# KiCad board UNI_i3-rounded.kicad_pcb
title: zensai65_UNI_i3; rev: v2; company: shoonie
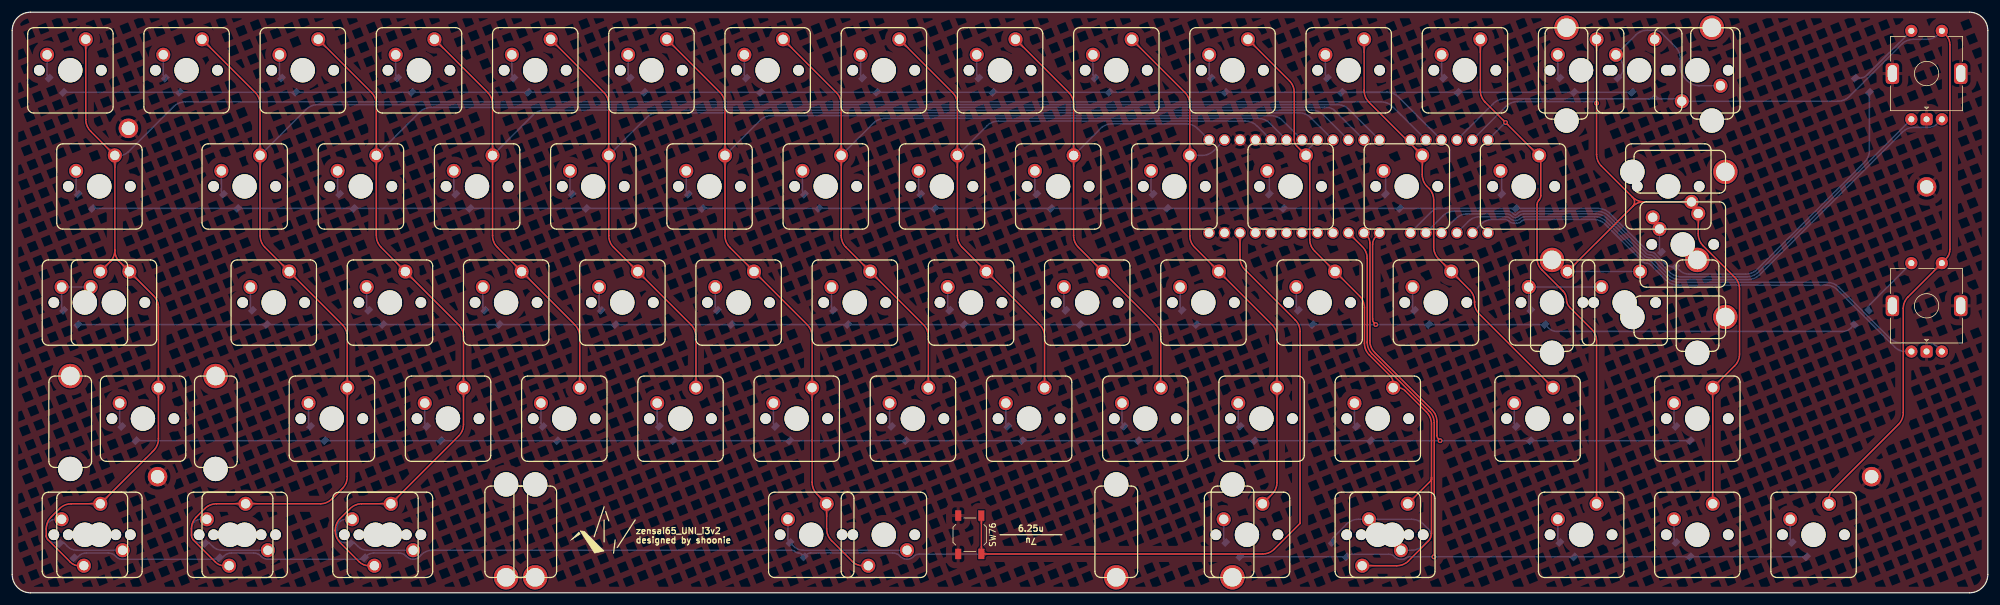
[diagram p0: board, top side]
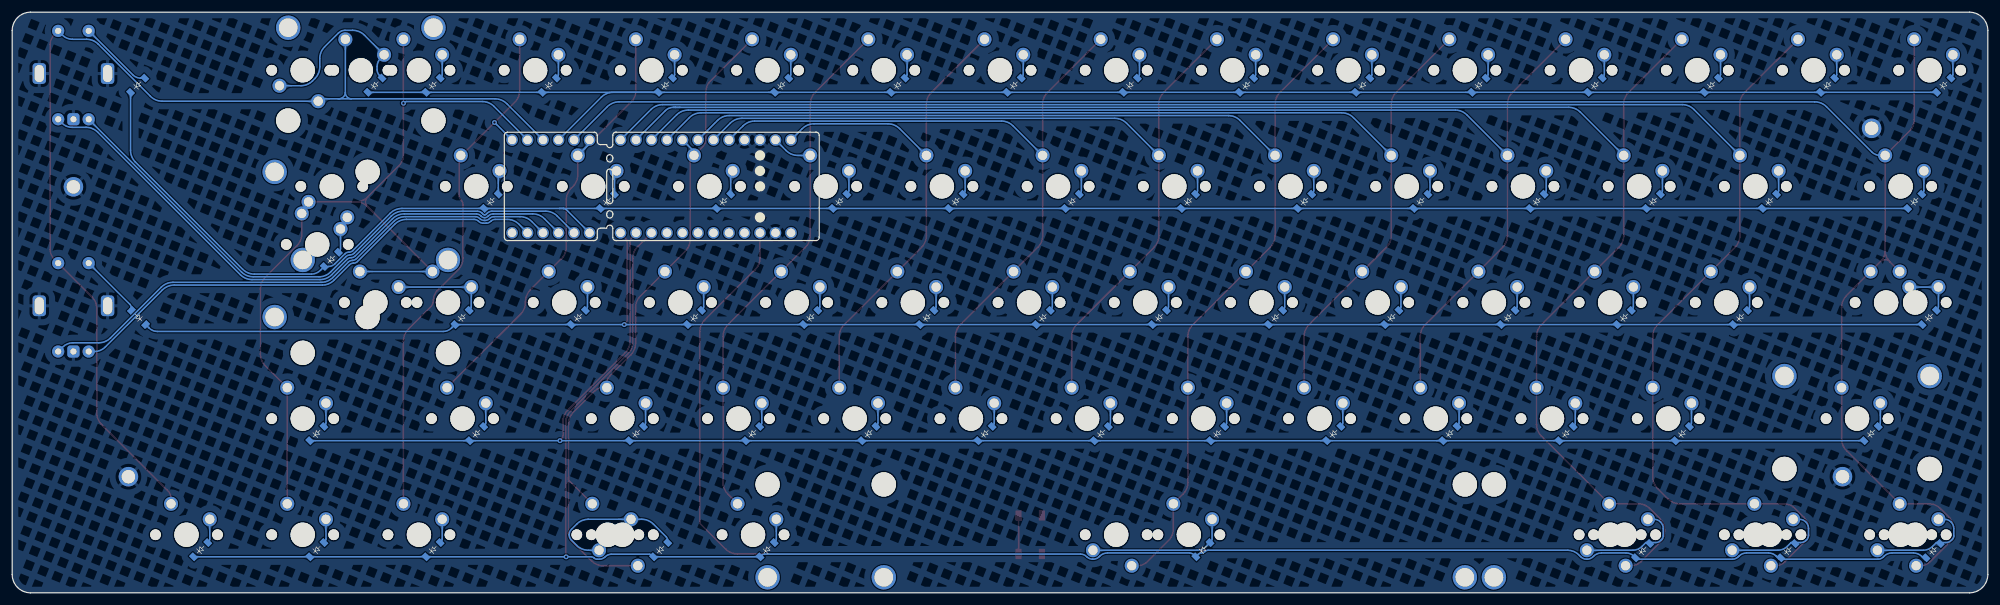
[diagram p1: board, bottom side, seen from below]

Outline 323.85 x 95.25 mm; copper layers: Top, Bottom. Coordinates in mm from the lower left corner of the outline.
Outline path: 0,92.25 0,3 arc(0.88,0.88) 3,0 320.85,0 arc(322.97,0.88) 323.85,3 323.85,92.25 arc(322.97,94.37) 320.85,95.25 3,95.25 arc(0.88,94.37) 0,92.25
Stack: Top 0.035mm / dielectric 1.51mm FR4 er 4.5 / Bottom 0.035mm

## Placement (name value [footprint] x y rotation side)
D1  D_Small  [D_SOD-123_CLEAN]  7.14 83.34 315 bottom
D2  D_Small  [D_SOD-123_CLEAN]  26.19 83.34 315 bottom
D3  D_Small  [D_SOD-123_CLEAN]  45.24 83.34 315 bottom
D4  D_Small  [D_SOD-123_CLEAN]  64.29 83.34 315 bottom
D5  D_Small  [D_SOD-123_CLEAN]  83.34 83.34 315 bottom
D6  D_Small  [D_SOD-123_CLEAN]  102.39 83.34 315 bottom
D7  D_Small  [D_SOD-123_CLEAN]  121.44 83.34 315 bottom
D8  D_Small  [D_SOD-123_CLEAN]  140.49 83.34 315 bottom
D9  D_Small  [D_SOD-123_CLEAN]  159.54 83.34 315 bottom
D10  D_Small  [D_SOD-123_CLEAN]  178.59 83.34 315 bottom
D11  D_Small  [D_SOD-123_CLEAN]  197.64 83.34 315 bottom
D12  D_Small  [D_SOD-123_CLEAN]  216.69 83.34 315 bottom
D13  D_Small  [D_SOD-123_CLEAN]  235.74 83.34 315 bottom
D14  D_Small  [D_SOD-123_CLEAN]  254.79 83.34 315 bottom
D15  D_Small  [D_SOD-123_CLEAN]  264.32 83.34 315 bottom
D17  D_Small  [D_SOD-123_CLEAN]  11.91 64.29 315 bottom
D18  D_Small  [D_SOD-123_CLEAN]  35.72 64.29 315 bottom
D19  D_Small  [D_SOD-123_CLEAN]  54.77 64.29 315 bottom
D20  D_Small  [D_SOD-123_CLEAN]  73.82 64.29 315 bottom
D21  D_Small  [D_SOD-123_CLEAN]  92.87 64.29 315 bottom
D22  D_Small  [D_SOD-123_CLEAN]  111.92 64.29 315 bottom
D23  D_Small  [D_SOD-123_CLEAN]  130.97 64.29 315 bottom
D24  D_Small  [D_SOD-123_CLEAN]  150.02 64.29 315 bottom
D25  D_Small  [D_SOD-123_CLEAN]  169.07 64.29 315 bottom
D26  D_Small  [D_SOD-123_CLEAN]  188.12 64.29 315 bottom
D27  D_Small  [D_SOD-123_CLEAN]  207.17 64.29 315 bottom
D28  D_Small  [D_SOD-123_CLEAN]  226.22 64.29 315 bottom
D29  D_Small  [D_SOD-123_CLEAN]  245.27 64.29 315 bottom
D31  D_Small  [D_SOD-123_CLEAN]  271.46 54.77 315 bottom
D32  D_Small  [D_SOD-123_CLEAN]  303.21 83.34 315 bottom
D33  D_Small  [D_SOD-123_CLEAN]  9.53 45.24 315 bottom
D35  D_Small  [D_SOD-123_CLEAN]  40.48 45.24 315 bottom
D36  D_Small  [D_SOD-123_CLEAN]  59.53 45.24 315 bottom
D37  D_Small  [D_SOD-123_CLEAN]  78.58 45.24 315 bottom
D38  D_Small  [D_SOD-123_CLEAN]  97.63 45.24 315 bottom
D39  D_Small  [D_SOD-123_CLEAN]  116.68 45.24 315 bottom
D40  D_Small  [D_SOD-123_CLEAN]  135.73 45.24 315 bottom
D41  D_Small  [D_SOD-123_CLEAN]  154.78 45.24 315 bottom
D42  D_Small  [D_SOD-123_CLEAN]  173.83 45.24 315 bottom
D43  D_Small  [D_SOD-123_CLEAN]  192.88 45.24 315 bottom
D44  D_Small  [D_SOD-123_CLEAN]  211.93 45.24 315 bottom
D45  D_Small  [D_SOD-123_CLEAN]  230.98 45.24 315 bottom
D46  D_Small  [D_SOD-123_CLEAN]  250.03 45.24 315 bottom
D48  D_Small  [D_SOD-123_CLEAN]  303.21 45.24 225 bottom
D49  D_Small  [D_SOD-123_CLEAN]  19.05 26.19 315 bottom
D50  D_Small  [D_SOD-123_CLEAN]  50.01 26.19 315 bottom
D51  D_Small  [D_SOD-123_CLEAN]  69.06 26.19 315 bottom
D52  D_Small  [D_SOD-123_CLEAN]  88.11 26.19 315 bottom
D53  D_Small  [D_SOD-123_CLEAN]  107.16 26.19 315 bottom
D54  D_Small  [D_SOD-123_CLEAN]  126.21 26.19 315 bottom
D55  D_Small  [D_SOD-123_CLEAN]  145.26 26.19 315 bottom
D56  D_Small  [D_SOD-123_CLEAN]  164.31 26.19 315 bottom
D57  D_Small  [D_SOD-123_CLEAN]  183.36 26.19 315 bottom
D58  D_Small  [D_SOD-123_CLEAN]  202.41 26.19 315 bottom
D59  D_Small  [D_SOD-123_CLEAN]  221.46 26.19 315 bottom
D60  D_Small  [D_SOD-123_CLEAN]  247.65 26.19 315 bottom
D61  D_Small  [D_SOD-123_CLEAN]  273.84 26.19 315 bottom
D62  D_Small  [D_SOD-123_CLEAN]  8.89 6.98 315 bottom
D64  D_Small  [D_SOD-123_CLEAN]  32.7 6.98 315 bottom
D66  D_Small  [D_SOD-123_CLEAN]  56.52 6.98 315 bottom
D68  D_Small  [D_SOD-123_CLEAN]  128.59 7.14 315 bottom
D70  D_Small  [D_SOD-123_CLEAN]  200.03 7.14 315 bottom
D72  D_Small  [D_SOD-123_CLEAN]  217.49 7.14 315 bottom
D73  D_Small  [D_SOD-123_CLEAN]  254.79 7.14 315 bottom
D74  D_Small  [D_SOD-123_CLEAN]  273.84 7.14 315 bottom
D75  D_Small  [D_SOD-123_CLEAN]  292.89 7.14 315 bottom
H1  MountingHole_Pad  [MountingHole_2.2mm_M2_Pad_MOD]  19.05 76.2 0 top
H2  MountingHole_Pad  [MountingHole_2.2mm_M2_Pad_MOD]  23.83 19.05 0 top
H3  MountingHole_Pad  [MountingHole_2.2mm_M2_Pad_MOD]  313.81 66.6 0 top
H4  MountingHole_Pad  [MountingHole_2.2mm_M2_Pad_MOD]  304.8 19.05 0 top
REF**  -  [bottom_row_guide]  167 9.52 0 top
REF**#2  -  [info]  102.11 9.4 0 top
S15  MX_stab  [STAB_MX_P_2u]  266.7 85.72 0 top
S31  MX_stab  [STAB_MX_P_2u]  273.84 57.15 270 top
S47  MX_stab  [STAB_MX_P_2u]  264.32 47.62 0 top
S49  MX_stab  [STAB_MX_P_2u]  21.43 28.57 0 top
S68  MX_stab  [STAB_MX_P_6.25u]  130.97 9.52 180 top
S69  MX_stab  [STAB_MX_P_7u]  142.88 9.52 180 top
SW1  MX_SW_solder  [SW_MX_1u]  9.53 85.72 0 top
SW2  MX_SW_solder  [SW_MX_1u]  28.57 85.72 0 top
SW3  MX_SW_solder  [SW_MX_1u]  47.62 85.72 0 top
SW4  MX_SW_solder  [SW_MX_1u]  66.67 85.72 0 top
SW5  MX_SW_solder  [SW_MX_1u]  85.72 85.72 0 top
SW6  MX_SW_solder  [SW_MX_1u]  104.78 85.72 0 top
SW7  MX_SW_solder  [SW_MX_1u]  123.83 85.72 0 top
SW8  MX_SW_solder  [SW_MX_1u]  142.88 85.72 0 top
SW9  MX_SW_solder  [SW_MX_1u]  161.93 85.72 0 top
SW10  MX_SW_solder  [SW_MX_1u]  180.97 85.72 0 top
SW11  MX_SW_solder  [SW_MX_1u]  200.03 85.72 0 top
SW12  MX_SW_solder  [SW_MX_1u]  219.07 85.72 0 top
SW13  MX_SW_solder  [SW_MX_1u]  238.12 85.72 0 top
SW14  MX_SW_solder  [SW_MX_1u]  257.18 85.72 0 top
SW15  MX_SW_solder  [SW_MX_1u]  266.7 85.72 0 top
SW16  MX_SW_solder  [SW_MX_1u]  276.23 85.72 180 top
SW17  MX_SW_solder  [SW_MX_1u]  14.29 66.67 0 top
SW18  MX_SW_solder  [SW_MX_1u]  38.1 66.67 0 top
SW19  MX_SW_solder  [SW_MX_1u]  57.15 66.67 0 top
SW20  MX_SW_solder  [SW_MX_1u]  76.2 66.67 0 top
SW21  MX_SW_solder  [SW_MX_1u]  95.25 66.67 0 top
SW22  MX_SW_solder  [SW_MX_1u]  114.3 66.67 0 top
SW23  MX_SW_solder  [SW_MX_1u]  133.35 66.67 0 top
SW24  MX_SW_solder  [SW_MX_1u]  152.4 66.67 0 top
SW25  MX_SW_solder  [SW_MX_1u]  171.45 66.67 0 top
SW26  MX_SW_solder  [SW_MX_1u]  190.5 66.67 0 top
SW27  MX_SW_solder  [SW_MX_1u]  209.55 66.67 0 top
SW28  MX_SW_solder  [SW_MX_1u]  228.6 66.67 0 top
SW29  MX_SW_solder  [SW_MX_1u]  247.78 66.67 0 top
SW30  MX_SW_solder  [SW_MX_1u]  271.46 66.67 180 top
SW31  MX_SW_solder  [SW_MX_1u]  273.84 57.15 0 top
SW32  RotaryEncoder_Switch  [ROT_Alps_EC11E-Switch]  313.81 85.19 0 top
SW33  MX_SW_solder  [SW_MX_1u]  11.91 47.62 0 top
SW34  MX_SW_solder  [SW_MX_1u]  16.67 47.62 0 top
SW35  MX_SW_solder  [SW_MX_1u]  42.86 47.62 0 top
SW36  MX_SW_solder  [SW_MX_1u]  61.91 47.62 0 top
SW37  MX_SW_solder  [SW_MX_1u]  80.96 47.62 0 top
SW38  MX_SW_solder  [SW_MX_1u]  100.01 47.62 0 top
SW39  MX_SW_solder  [SW_MX_1u]  119.06 47.62 0 top
SW40  MX_SW_solder  [SW_MX_1u]  138.11 47.62 0 top
SW41  MX_SW_solder  [SW_MX_1u]  157.16 47.62 0 top
SW42  MX_SW_solder  [SW_MX_1u]  176.21 47.62 0 top
SW43  MX_SW_solder  [SW_MX_1u]  195.26 47.62 0 top
SW44  MX_SW_solder  [SW_MX_1u]  214.31 47.62 0 top
SW45  MX_SW_solder  [SW_MX_1u]  233.36 47.62 0 top
SW46  MX_SW_solder  [SW_MX_1u]  252.41 47.62 0 top
SW47  MX_SW_solder  [SW_MX_1u]  264.32 47.62 0 top
SW48  RotaryEncoder_Switch  [ROT_Alps_EC11E-Switch]  313.81 47.09 0 top
SW49  MX_SW_solder  [SW_MX_1u]  21.43 28.57 0 top
SW50  MX_SW_solder  [SW_MX_1u]  52.39 28.57 0 top
SW51  MX_SW_solder  [SW_MX_1u]  71.44 28.57 0 top
SW52  MX_SW_solder  [SW_MX_1u]  90.49 28.57 0 top
SW53  MX_SW_solder  [SW_MX_1u]  109.54 28.57 0 top
SW54  MX_SW_solder  [SW_MX_1u]  128.59 28.57 0 top
SW55  MX_SW_solder  [SW_MX_1u]  147.64 28.57 0 top
SW56  MX_SW_solder  [SW_MX_1u]  166.69 28.57 0 top
SW57  MX_SW_solder  [SW_MX_1u]  185.74 28.57 0 top
SW58  MX_SW_solder  [SW_MX_1u]  204.79 28.57 0 top
SW59  MX_SW_solder  [SW_MX_1u]  223.84 28.57 0 top
SW60  MX_SW_solder  [SW_MX_1u]  250.03 28.57 0 top
SW61  MX_SW_solder  [SW_MX_1u]  276.23 28.57 0 top
SW62  MX_SW_solder  [SW_MX_1u]  11.91 9.52 0 top
SW63  MX_SW_solder  [SW_MX_1u]  14.29 9.52 180 top
SW64  MX_SW_solder  [SW_MX_1u]  35.72 9.52 0 top
SW65  MX_SW_solder  [SW_MX_1u]  38.1 9.52 180 top
SW66  MX_SW_solder  [SW_MX_1u]  59.53 9.52 0 top
SW67  MX_SW_solder  [SW_MX_1u]  61.91 9.52 180 top
SW68  MX_SW_solder  [SW_MX_1u]  130.97 9.52 0 top
SW69  MX_SW_solder  [SW_MX_1u]  142.88 9.52 180 top
SW70  MX_SW_solder  [SW_MX_1u]  202.41 9.52 0 top
SW71  MX_SW_solder  [SW_MX_1u]  223.84 9.52 180 top
SW72  MX_SW_solder  [SW_MX_1u]  226.22 9.52 0 top
SW73  MX_SW_solder  [SW_MX_1u]  257.18 9.52 0 top
SW74  MX_SW_solder  [SW_MX_1u]  276.23 9.52 0 top
SW75  MX_SW_solder  [SW_MX_1u]  295.27 9.52 0 top
SW76  SW_Push_45deg  [SW_SPST_TL3342]  156.97 9.52 270 top
U1  Bonsai-C4-extended  [Bonsai_C4_extended_THT]  209.55 66.67 270 bottom

## Library data of the parts
D1-D15 D17-D29 D31-D33 D35-D46 D48-D62 D64 D66 D68 D70 D72-D75 = -: Description: Diode, small symbol; Sim.Device: D; Sim.Pins: 1=K 2=A
H1-H4 = -: Description: Mounting Hole with connection
S15 S31 S47 S49 S68 S69 = -: Description: Cherry MX-style stabilizer
SW1-SW31 SW33-SW47 SW49-SW76 = -: Description: Push button switch, normally open, two pins, 45° tilted
SW32 SW48 = -: Description: Rotary encoder, dual channel, incremental quadrate outputs, with switch

## Footprints (pads in the part's own frame, mm; a bottom-side part is the same pattern mirrored in y, then rotated)
Bonsai_C4_extended_THT
  round 1.89 hole 1.39: 1(-7.62,13.36) 2(-7.62,10.82) 3(-7.62,8.28) 4(-7.62,5.74) 5(-7.62,3.2) 6(-7.62,0.66) 7(-7.62,-1.88) 8(-7.62,-4.42) 9(-7.62,-6.96) 10(-7.62,-9.5) 11(-7.62,-12.04) 12(-7.62,-14.58) 17(7.62,13.36) 18(7.62,10.82) 19(7.62,8.28) 20(7.62,5.74) 21(7.62,3.2) 22(7.62,0.66) 23(7.62,-1.88) 24(7.62,-6.96) 25(7.62,-4.42) 26(7.62,-9.5) 27(7.62,-12.04) 28(7.62,-14.58) 29(-7.62,-19.66) 30(-7.62,-22.2) 31(-7.62,-24.74) 32(-7.62,-27.28) 33(-7.62,-29.82) 34(-7.62,-32.36) 35(7.62,-19.66) 36(7.62,-22.2) 37(7.62,-24.74) 38(7.62,-27.28) 39(7.62,-29.82) 40(7.62,-32.36)
D_SOD-123_CLEAN
  rect 0.9x1.2 smd: 1(1.75,0) 2(-1.55,0)
MountingHole_2.2mm_M2_Pad_MOD
  round 3.2 hole 2.2: 1(0,0)
ROT_Alps_EC11E-Switch
  round 2 hole 1: A(-2.5,-7.5) B(2.5,-7.5) S1(2.5,7) S2(-2.5,7)
  rrect 2x2 hole 1: C(0,-7.5)
  rrect 2.2x3.4 hole 1.5x2.8: MP(-5.6,0) MP(5.6,0)
STAB_MX_P_2u
  round 4 hole 3.048: (-11.906,6.985) (11.906,6.985)
  round 3.988 hole 3.988 unplated: (-11.906,-8.255) (11.906,-8.255)
STAB_MX_P_6.25u
  round 4 hole 3.048: (-50.006,6.985) (50.006,6.985)
  round 3.988 hole 3.988 unplated: (-50.006,-8.255) (50.006,-8.255)
STAB_MX_P_7u
  round 4 hole 3.048: (-57.15,6.985) (57.15,6.985)
  round 3.988 hole 3.988 unplated: (-57.15,-8.255) (57.15,-8.255)
SW_MX_1u
  round 1.75 hole 1.75 unplated: (-5.08,0) (5.08,0)
  round 3.988 hole 3.988 unplated: (0,0)
  round 2.3 hole 1.524: 1(-3.81,2.54) 2(2.54,5.08)
SW_SPST_TL3342
  rect 1.7x1 smd: 1(-3.15,1.9) 1(3.15,1.9) 2(-3.15,-1.9) 2(3.15,-1.9)

## Nets
GND: H1.1 H2.1 H3.1 H4.1 SW32.C SW32.MP SW48.C SW48.MP SW76.2 U1.3 U1.4 U1.18
COL0: SW1.2 SW17.2 SW33.2 SW34.2 SW49.2 SW62.2 SW63.2 U1.30
COL1: SW2.2 SW18.2 SW35.2 SW50.2 SW64.2 SW65.2 U1.12
COL2: SW3.2 SW19.2 SW36.2 SW51.2 SW66.2 SW67.2 U1.11
COL3: SW4.2 SW20.2 SW37.2 SW52.2 U1.10
COL4: SW5.2 SW21.2 SW38.2 SW53.2 U1.9
COL5: SW6.2 SW22.2 SW39.2 SW54.2 SW68.2 SW69.2 U1.7
COL6: SW7.2 SW23.2 SW40.2 SW55.2 U1.6
COL7: SW8.2 SW24.2 SW41.2 SW56.2 U1.5
COL8: SW9.2 SW25.2 SW42.2 SW57.2 U1.1
COL9: SW10.2 SW26.2 SW43.2 SW58.2 SW70.2 U1.2
COL10: SW11.2 SW27.2 SW44.2 SW59.2 SW71.2 SW72.2 U1.8
COL11: SW12.2 SW28.2 SW45.2 SW60.2 U1.29
COL12: SW13.2 SW29.2 SW73.2 U1.34
COL13: SW14.2 SW30.1 SW31.2 SW46.2 SW47.2 SW61.2 SW74.2 U1.33
COL14: SW15.2 SW16.2 SW32.S1 SW48.S1 SW75.2 U1.32
ROW0: D1.1 D2.1 D3.1 D4.1 D5.1 D6.1 D7.1 D8.1 D9.1 D10.1 D11.1 D12.1 D13.1 D14.1 D15.1 U1.31
ROW1: D17.1 D18.1 D19.1 D20.1 D21.1 D22.1 D23.1 D24.1 D25.1 D26.1 D27.1 D28.1 D29.1 D31.1 D32.1 U1.35
ROW2: D33.1 D35.1 D36.1 D37.1 D38.1 D39.1 D40.1 D41.1 D42.1 D43.1 D44.1 D45.1 D46.1 D48.1 U1.28
ROW3: D49.1 D50.1 D51.1 D52.1 D53.1 D54.1 D55.1 D56.1 D57.1 D58.1 D59.1 D60.1 D61.1 U1.27
ROW4: D62.1 D64.1 D66.1 D68.1 D70.1 D72.1 D73.1 D74.1 D75.1 U1.26
SW32A: SW32.A U1.36
SW32B: SW32.B U1.37
SW48A: SW48.A U1.39
SW48B: SW48.B U1.38
Net-(D1-A): D1.2 SW1.1
Net-(D2-A): D2.2 SW2.1
Net-(D3-A): D3.2 SW3.1
Net-(D4-A): D4.2 SW4.1
Net-(D5-A): D5.2 SW5.1
Net-(D6-A): D6.2 SW6.1
Net-(D7-A): D7.2 SW7.1
Net-(D8-A): D8.2 SW8.1
Net-(D9-A): D9.2 SW9.1
Net-(D10-A): D10.2 SW10.1
Net-(D11-A): D11.2 SW11.1
Net-(D12-A): D12.2 SW12.1
Net-(D13-A): D13.2 SW13.1
Net-(D14-A): D14.2 SW14.1
Net-(D15-A): D15.2 SW15.1 SW16.1
Net-(D17-A): D17.2 SW17.1
Net-(D18-A): D18.2 SW18.1
Net-(D19-A): D19.2 SW19.1
Net-(D20-A): D20.2 SW20.1
Net-(D21-A): D21.2 SW21.1
Net-(D22-A): D22.2 SW22.1
Net-(D23-A): D23.2 SW23.1
Net-(D24-A): D24.2 SW24.1
Net-(D25-A): D25.2 SW25.1
Net-(D26-A): D26.2 SW26.1
Net-(D27-A): D27.2 SW27.1
Net-(D28-A): D28.2 SW28.1
Net-(D29-A): D29.2 SW29.1
Net-(D30-A): D31.2 SW30.2 SW31.1
Net-(D32-A): D32.2 SW32.S2
Net-(D33-A): D33.2 SW33.1 SW34.1
Net-(D35-A): D35.2 SW35.1
Net-(D36-A): D36.2 SW36.1
Net-(D37-A): D37.2 SW37.1
Net-(D38-A): D38.2 SW38.1
Net-(D39-A): D39.2 SW39.1
Net-(D40-A): D40.2 SW40.1
Net-(D41-A): D41.2 SW41.1
Net-(D42-A): D42.2 SW42.1
Net-(D43-A): D43.2 SW43.1
Net-(D44-A): D44.2 SW44.1
Net-(D45-A): D45.2 SW45.1
Net-(D46-A): D46.2 SW46.1 SW47.1
Net-(D48-A): D48.2 SW48.S2
Net-(D49-A): D49.2 SW49.1
Net-(D50-A): D50.2 SW50.1
Net-(D51-A): D51.2 SW51.1
Net-(D52-A): D52.2 SW52.1
Net-(D53-A): D53.2 SW53.1
Net-(D54-A): D54.2 SW54.1
Net-(D55-A): D55.2 SW55.1
Net-(D56-A): D56.2 SW56.1
Net-(D57-A): D57.2 SW57.1
Net-(D58-A): D58.2 SW58.1
Net-(D59-A): D59.2 SW59.1
Net-(D60-A): D60.2 SW60.1
Net-(D61-A): D61.2 SW61.1
Net-(D62-A): D62.2 SW62.1 SW63.1
Net-(D64-A): D64.2 SW64.1 SW65.1
Net-(D66-A): D66.2 SW66.1 SW67.1
Net-(D68-A): D68.2 SW68.1 SW69.1
Net-(D70-A): D70.2 SW70.1
Net-(D71-A): D72.2 SW71.1 SW72.1
Net-(D73-A): D73.2 SW73.1
Net-(D74-A): D74.2 SW74.1
Net-(D75-A): D75.2 SW75.1
Net-(U1-DFU): SW76.1 U1.19

Pads without a net: U1 17 20 21 22 23 24 25 40

## Via types
v1: diameter 0.8, hole 0.4, Top to Bottom, 5 vias

## Routing (per net, layer and track width the routed paths; a pad name or vN(x,y) marks a point on that pad's centre or on a via; arc(x,y) is an arc through that point)
COL0: length 331.9
  Top w0.25: 17.53,54.38 SW34.2 23.17,48.74 arc(23.76,47.86) 23.97,46.82 SW49.2 23.97,25.26 arc(23.76,24.22) 23.17,23.33 SW62.2 9.68,14.6 arc(8.64,14.4) 7.75,13.81 6.37,12.43 arc(5.78,11.55) 5.58,10.5 5.58,9.35 arc(5.64,9.02) 5.83,8.73 9.55,5.02 arc(10.18,4.59) 10.93,4.44 SW63.2 ; 17.53,54.38 arc(16.8,54.65) 16.03,54.29 ; 17.53,54.38 arc(17.01,55.2) 16.83,56.21 ; 16.03,54.29 SW33.2 ; 16.03,54.29 arc(16.62,55.17) 16.83,56.21 ; 12.06,90.8 12.06,77.64 arc(12.27,76.6) 12.86,75.72 16.83,71.75 16.83,56.21
  Bottom w0.25: U1.30 226.3,79.74 arc(225.42,80.33) 224.38,80.54 28.36,80.54 arc(27.32,80.33) 26.44,79.74 19.03,72.33 arc(18.39,71.9) 17.64,71.75 16.83,71.75
COL1: length 309.8
  Top w0.25: SW2.2 39.84,82.08 arc(40.43,81.19) 40.64,80.15 40.64,58.59 arc(40.85,57.55) 41.44,56.67 SW35.2 54.13,43.98 arc(54.72,43.09) 54.93,42.05 SW50.2 54.93,19.04 arc(54.72,18) 54.13,17.12 52.41,15.4 arc(51.53,14.81) 50.49,14.6 SW64.2 33.49,14.6 arc(32.45,14.4) 31.57,13.81 30.19,12.43 arc(29.6,11.55) 29.39,10.5 29.39,9.46 arc(29.48,9) 29.74,8.62 33.33,5.03 arc(33.97,4.6) 34.73,4.44 SW65.2
  Bottom w0.25: U1.12 219.13,79.29 arc(218.25,79.88) 217.21,80.09 50.1,80.09 arc(49.06,79.88) 48.18,79.29 40.64,71.75
COL2: length 279.5
  Top w0.25: SW3.2 58.89,82.08 arc(59.48,81.19) 59.69,80.15 59.69,58.59 arc(59.9,57.55) 60.49,56.67 SW36.2 73.18,43.98 arc(73.77,43.09) 73.98,42.05 SW51.2 73.98,27.64 arc(73.77,26.6) 73.18,25.71 SW66.2 57.3,14.6 arc(56.26,14.4) 55.38,13.81 53.76,12.19 arc(53.17,11.3) 52.96,10.26 52.96,10.14 arc(53.17,9.1) 53.76,8.22 56.88,5.1 arc(57.6,4.61) 58.45,4.44 SW67.2
  Bottom w0.25: 214.38,79.64 215.13,79.64 ; 214.38,79.64 215.13,79.64 ; 214.38,79.64 68.7,79.64 arc(67.66,79.43) 66.78,78.84 59.69,71.75 ; 215.13,79.64 215.5,79.64 ; 215.13,79.64 215.5,79.64 ; U1.11 216.77,79.11 arc(216.19,79.5) 215.5,79.64
COL3: length 211.8
  Top w0.25: SW52.2 93.03,42.05 arc(92.82,43.09) 92.23,43.98 SW37.2 79.54,56.67 arc(78.95,57.55) 78.74,58.59 78.74,80.15 arc(78.53,81.19) 77.94,82.08 SW4.2
  Bottom w0.25: 78.74,71.75 85.38,78.39 arc(86.26,78.98) 87.3,79.19 213.03,79.19 arc(214.07,78.98) 214.95,78.39 U1.10
COL4: length 189.9
  Top w0.25: SW53.2 112.08,42.05 arc(111.87,43.09) 111.28,43.98 SW38.2 98.59,56.67 arc(98,57.55) 97.79,58.59 97.79,80.15 arc(97.58,81.19) 96.99,82.08 SW5.2
  Bottom w0.25: U1.9 212.86,77.94 arc(211.98,78.53) 210.94,78.74 105.9,78.74 arc(104.86,78.53) 103.98,77.94 97.79,71.75
COL5: length 199.2
  Top w0.25: SW6.2 116.04,82.08 arc(116.63,81.19) 116.84,80.15 116.84,58.59 arc(117.05,57.55) 117.64,56.67 SW39.2 130.33,43.98 arc(130.92,43.09) 131.13,42.05 SW54.2 131.13,18.11 arc(131.33,17.07) 131.92,16.19 SW68.2 133.51,10.49 arc(133.72,9.45) 134.31,8.57 137.76,5.12 arc(138.5,4.62) 139.38,4.44 SW69.2
  Bottom w0.25: 116.84,71.75 122.58,77.49 arc(123.46,78.08) 124.5,78.29 206.31,78.29 arc(207.35,78.08) 208.23,77.49 U1.7
COL6: length 143.4
  Top w0.25: SW55.2 150.18,42.05 arc(149.97,43.09) 149.38,43.98 SW40.2 136.69,56.67 arc(136.1,57.55) 135.89,58.59 135.89,80.15 arc(135.68,81.19) 135.09,82.08 126.36,90.8
  Bottom w0.25: U1.6 206.14,77.04 arc(205.26,77.63) 204.22,77.84 143.1,77.84 arc(142.06,77.63) 141.18,77.04 135.89,71.75
COL7: length 121.5
  Top w0.25: SW8.2 154.14,82.08 arc(154.73,81.19) 154.94,80.15 154.94,58.59 arc(155.15,57.55) 155.74,56.67 SW41.2 168.43,43.98 arc(169.02,43.09) 169.23,42.05 SW56.2
  Bottom w0.25: U1.5 204.05,76.59 arc(203.17,77.18) 202.13,77.39 161.7,77.39 arc(160.66,77.18) 159.78,76.59 154.94,71.75
COL8: length 91.9
  Top w0.25: SW57.2 188.28,42.05 arc(188.07,43.09) 187.48,43.98 SW42.2 174.79,56.67 arc(174.2,57.55) 173.99,58.59 173.99,80.15 arc(173.78,81.19) 173.19,82.08 SW9.2
  Bottom w0.25: U1.1 194.34,76.14 arc(193.46,76.73) 192.42,76.94 180.3,76.94 arc(179.26,76.73) 178.38,76.14 173.99,71.75
COL9: length 93.2
  Top w0.25: SW10.2 192.24,82.08 arc(192.83,81.19) 193.04,80.15 193.04,58.59 arc(193.25,57.55) 193.84,56.67 SW43.2 206.53,43.98 arc(207.12,43.09) 207.33,42.05 SW58.2 207.33,18.11 arc(207.12,17.07) 206.53,16.19 SW70.2
  Bottom w0.25: 193.04,71.75 195.06,71.75 arc(196.1,71.96) 196.99,72.55 U1.2
COL10: length 114.1
  Top w0.25: 232.65,18.94 232.65,18.65 ; 232.65,18.94 232.65,27.7 arc(232.45,28.74) 231.86,29.63 228.34,33.14 arc(227.77,33.52) 227.1,33.65 arc(226.59,33.87) 226.38,34.38 arc(226.24,35.05) 225.86,35.62 222.46,39.02 arc(221.87,39.91) 221.66,40.95 221.66,46.77 arc(221.45,47.81) 220.87,48.69 217.33,52.23 ; 232.65,18.94 232.65,18.65 ; 232.65,18.65 232.65,9.76 arc(232.51,9.06) 232.12,8.47 228.89,5.24 arc(228.01,4.65) 226.97,4.44 SW71.2 ; 232.65,18.65 arc(232.63,18.51) 232.55,18.39 SW72.2 ; SW44.2 213.5,56.06 arc(212.91,56.94) 212.7,57.98 212.7,71.15 ; 212.09,71.75 210.6,73.24 arc(210.28,73.73) 210.16,74.31 210.16,82.08 arc(209.95,83.12) 209.36,84.01 SW11.2
  Bottom w0.25: U1.8 212.09,72.42
COL11: length 74.7
  Top w0.25: SW60.2 240.51,45.72 arc(239.92,46.6) 239.71,47.64 239.71,47.77 arc(239.51,48.81) 238.92,49.69 SW45.2 233.82,54.79 arc(233.23,55.67) 233.02,56.71 233.02,64.44 arc(232.81,65.48) 232.22,66.36 231.94,66.65 arc(231.35,67.53) 231.14,68.57 231.14,71.75 222.41,80.48 arc(221.82,81.37) 221.62,82.41 221.62,90.8
  Bottom w0.25: 229.21,73.69 231.14,71.75 229.21,73.69
COL12: length 86.8
  Top w0.25: SW13.2 240.66,82.41 arc(240.87,81.37) 241.46,80.48 v1(244.79,77.15) 250.19,71.75 ; 259.71,14.6 259.71,41.31 arc(259.51,42.35) 258.92,43.23 255.34,46.81 arc(254.93,47.43) 254.78,48.16 arc(254.64,48.89) 254.22,49.51 250.76,52.98 arc(250.17,53.86) 249.96,54.9 249.96,63.68 arc(250.04,64.08) 250.27,64.42 arc(250.49,64.75) 250.57,65.15 250.57,70.61
  Bottom w0.25: 241.91,74.29 244.76,77.14 arc(244.77,77.15) 244.78,77.15 v1(244.79,77.15)
COL13: length 143.7
  Top w0.25: SW31.2 276.38,58.87 arc(276.59,57.83) 277.18,56.94 282.36,51.77 arc(282.95,50.88) 283.15,49.84 283.15,39.17 arc(282.95,38.13) 282.36,37.25 278.76,33.65 278.76,14.6 ; 265.59,64.93 260.51,70.01 arc(259.92,70.89) 259.71,71.93 259.71,90.8 ; 265.59,64.93 arc(265.94,64.16) 265.68,63.43 ; 265.59,64.93 arc(266.47,64.34) 267.51,64.13 ; 265.68,63.43 SW46.2 ; 265.68,63.43 arc(266.49,63.95) 267.51,64.13 ; 267.51,64.13 SW30.1
  Bottom w0.25: 239.37,74.29 244.87,79.79 arc(245.75,80.38) 246.79,80.59 259.25,80.59 arc(259.43,80.55) 259.58,80.45 v1(259.71,80.31) ; SW47.2 SW46.2
COL14: length 184.1
  Top w0.25: SW75.2 297.81,15.42 arc(297.96,16.17) 298.39,16.81 309.19,27.61 arc(309.78,28.49) 309.99,29.53 309.99,46.63 arc(310.2,47.67) 310.79,48.56 SW48.S1 316.98,54.75 arc(317.47,55.48) 317.64,56.35 317.64,89.92 arc(317.47,90.79) 316.98,91.52 SW32.S1
  Bottom w0.25: 268.24,81.04 244.7,81.04 arc(243.66,80.83) 242.78,80.24 U1.32 ; 268.24,81.04 270.41,81.04 ; 268.24,81.04 arc(268.95,81.33) 269.24,82.04 ; 269.24,82.04 SW15.2 ; 269.24,82.04 arc(269.58,81.33) 270.41,81.04 ; SW32.S1 315.62,91.5 arc(314.86,90.98) 313.96,90.8 311.67,90.8 arc(310.63,90.6) 309.74,90.01 301.18,81.44 arc(300.3,80.85) 299.25,80.64 SW16.2 ; 270.41,81.04 273.29,81.04
ROW0: length 276.7
  Bottom w0.25: D12.1 D13.1 D14.1 D15.1 ; D12.1 D11.1 D10.1 D9.1 D8.1 D7.1 D6.1 D5.1 D4.1 D3.1 D2.1 D1.1 ; D12.1 225.35,82.11 arc(226.39,81.9) 227.28,81.31 U1.31
ROW1: length 320.2
  Bottom w0.25: 234.11,63.06 D29.1 259.96,63.06 arc(261,62.85) 261.89,62.26 267.99,56.15 arc(268.3,55.95) 268.65,55.88 arc(269.01,55.81) 269.32,55.61 270.93,53.99 arc(271.44,53.65) 272.05,53.53 arc(272.65,53.41) 273.16,53.07 273.32,52.91 arc(274.01,52.45) 274.83,52.28 284.15,52.28 arc(285.19,52.49) 286.08,53.08 303.65,70.66 arc(304.24,71.54) 304.45,72.58 D32.1 ; 234.11,63.06 233.51,63.06 ; 234.11,63.06 233.51,63.06 ; 233.51,63.06 D28.1 D27.1 D26.1 D25.1 D24.1 D23.1 D22.1 D21.1 D20.1 D19.1 D18.1 D17.1 ; 233.51,63.06 arc(233.23,63) 233,62.85 U1.35
ROW2: length 307.6
  Top w0.25: v1(223.52,44.01) 223.27,44.26 arc(223.08,44.54) 223.01,44.87 223.01,57.15 arc(223.16,57.88) 223.57,58.5 U1.28
  Bottom w0.25: D48.1 301.41,43.44 arc(300.78,43.02) 300.04,42.87 253.2,42.87 arc(252.46,43.02) 251.83,43.44 D46.1 D45.1 v1(223.52,44.01) D44.1 D43.1 D42.1 D41.1 D40.1 D39.1 D38.1 D37.1 D36.1 D35.1 D33.1
ROW3: length 293.7
  Top w0.25: U1.27 222.08,58.57 arc(222.44,58.03) 222.56,57.4 222.56,41.32 arc(222.77,40.28) 223.36,39.4 232.76,30 arc(233.35,29.12) 233.55,28.07 233.55,25.82 arc(233.62,25.49) 233.81,25.21 v1(234.06,24.96)
  Bottom w0.25: D61.1 D60.1 D59.1 D58.1 D57.1 D56.1 D55.1 D54.1 D53.1 D52.1 D51.1 D50.1 D49.1
ROW4: length 346.3
  Top w0.25: v1(233.04,5.91) 233.07,5.94 arc(233.1,5.97) 233.1,6.01 233.1,27.89 arc(232.9,28.93) 232.31,29.81 222.91,39.21 arc(222.32,40.09) 222.11,41.13 222.11,54.87 arc(221.9,55.91) 221.32,56.79 U1.26
  Bottom w0.25: D75.1 D74.1 D73.1 v1(233.04,5.91) 228.94,5.91 arc(228.68,5.85) 228.46,5.71 arc(228.24,5.56) 227.98,5.51 227.62,5.51 arc(227.08,5.62) 226.63,5.92 arc(226.17,6.22) 225.64,6.33 219.45,6.33 arc(219.17,6.28) 218.94,6.12 arc(218.7,5.96) 218.42,5.91 201.58,5.91 arc(201.29,5.96) 201.04,6.13 arc(200.79,6.29) 200.51,6.35 148.73,6.35 arc(148.18,6.24) 147.72,5.93 arc(147.25,5.62) 146.7,5.51 146.69,5.51 arc(146.12,5.62) 145.64,5.94 145.56,6.02 arc(144.99,6.4) 144.32,6.53 130.9,6.53 arc(130.49,6.45) 130.14,6.22 arc(129.82,6.09) 129.51,6.22 129.42,6.31 arc(129.17,6.48) 128.88,6.53 arc(128.58,6.59) 128.33,6.76 arc(128.09,6.93) 127.79,6.98 68.85,6.98 arc(67.89,6.79) 67.07,6.25 66.77,5.94 arc(66.29,5.62) 65.72,5.51 arc(65.16,5.62) 64.68,5.94 64.6,6.02 arc(64.03,6.4) 63.36,6.53 59.26,6.53 arc(58.6,6.4) 58.03,6.02 57.51,5.51 41.91,5.51 arc(41.35,5.62) 40.86,5.94 40.79,6.02 arc(40.22,6.4) 39.55,6.53 35.93,6.53 arc(35.26,6.4) 34.69,6.02 34.18,5.51 18,5.51 arc(17.53,5.6) 17.12,5.88 16.97,6.02 arc(16.41,6.4) 15.74,6.53 12.18,6.53 arc(11.45,6.39) 10.83,5.98 10.27,5.42
SW32A: length 96
  Bottom w0.25: U1.36 234.5,61.81 arc(235.39,62.4) 236.43,62.61 245.21,62.61 arc(245.61,62.53) 245.96,62.3 246.17,62.08 arc(246.28,62.01) 246.4,61.99 arc(246.52,62.01) 246.63,62.08 246.84,62.3 arc(247.19,62.53) 247.59,62.61 259.78,62.61 arc(260.82,62.4) 261.7,61.81 267.8,55.7 arc(268.11,55.5) 268.47,55.43 arc(268.83,55.36) 269.13,55.16 271.65,52.63 arc(272.54,52.04) 273.58,51.83 284.34,51.83 arc(285.38,52.04) 286.26,52.63 SW32.A
SW32B: length 98.3
  Bottom w0.25: U1.37 236.59,61.36 arc(237.48,61.95) 238.52,62.16 245.03,62.16 arc(245.43,62.08) 245.77,61.85 245.85,61.77 arc(246.1,61.6) 246.4,61.54 arc(246.7,61.6) 246.95,61.77 247.03,61.85 arc(247.37,62.08) 247.78,62.16 259.59,62.16 arc(260.63,61.95) 261.51,61.36 267.62,55.25 arc(267.92,55.05) 268.28,54.98 arc(268.64,54.91) 268.95,54.71 271.47,52.18 arc(272.35,51.59) 273.39,51.38 284.52,51.38 arc(285.57,51.59) 286.45,52.18 309.83,75.56 arc(310.71,76.15) 311.75,76.36 314.05,76.36 arc(314.92,76.53) 315.65,77.02 SW32.B
SW48A: length 81.5
  Bottom w0.25: U1.39 240.77,60.46 arc(241.66,61.05) 242.7,61.26 244.65,61.26 arc(245.06,61.18) 245.4,60.95 arc(245.74,60.72) 246.14,60.64 246.66,60.64 arc(247.06,60.72) 247.4,60.95 arc(247.74,61.18) 248.15,61.26 259.22,61.26 arc(260.26,61.05) 261.14,60.46 267.25,54.35 arc(267.55,54.15) 267.91,54.08 arc(268.27,54.01) 268.57,53.81 271.1,51.28 arc(271.98,50.69) 273.02,50.48 297.3,50.48 arc(298.35,50.28) 299.23,49.69 308.63,40.29 arc(309.41,39.77) 310.32,39.59 SW48.A
SW48B: length 89.3
  Bottom w0.25: SW48.B 315.6,40.3 arc(314.8,40.83) 313.86,41.02 309.66,41.02 arc(308.62,41.23) 307.73,41.82 299.41,50.14 arc(298.53,50.73) 297.49,50.93 273.21,50.93 arc(272.16,51.14) 271.28,51.73 268.76,54.26 arc(268.45,54.46) 268.1,54.53 arc(267.74,54.6) 267.43,54.8 261.33,60.91 arc(260.44,61.5) 259.4,61.71 247.96,61.71 arc(247.56,61.63) 247.22,61.4 arc(246.87,61.17) 246.47,61.09 246.33,61.09 arc(245.93,61.17) 245.58,61.4 arc(245.24,61.63) 244.84,61.71 240.61,61.71 arc(239.57,61.5) 238.68,60.91 U1.38
Net-(D1-A): length 3.9
  Bottom w0.25: D1.2 5.88,84.61 arc(5.76,84.79) 5.71,85.01 SW1.1
Net-(D2-A): length 3.9
  Bottom w0.25: SW2.1 24.77,85.01 arc(24.81,84.79) 24.93,84.61 D2.2
Net-(D3-A): length 3.9
  Bottom w0.25: D3.2 43.98,84.61 arc(43.86,84.79) 43.81,85.01 SW3.1
Net-(D4-A): length 3.9
  Bottom w0.25: SW4.1 62.87,85.01 arc(62.91,84.79) 63.03,84.61 D4.2
Net-(D5-A): length 3.9
  Bottom w0.25: D5.2 82.08,84.61 arc(81.96,84.79) 81.92,85.01 81.92,88.26
Net-(D6-A): length 3.9
  Bottom w0.25: D6.2 101.13,84.61 arc(101.01,84.79) 100.97,85.01 SW6.1
Net-(D7-A): length 3.9
  Bottom w0.25: D7.2 120.18,84.61 arc(120.06,84.79) 120.02,85.01 SW7.1
Net-(D8-A): length 3.9
  Bottom w0.25: SW8.1 139.06,85.01 arc(139.11,84.79) 139.23,84.61 D8.2
Net-(D9-A): length 3.9
  Bottom w0.25: D9.2 158.28,84.61 arc(158.16,84.79) 158.12,85.01 SW9.1
Net-(D10-A): length 3.9
  Bottom w0.25: SW10.1 177.16,85.01 arc(177.21,84.79) 177.33,84.61 D10.2
Net-(D11-A): length 3.9
  Bottom w0.25: D11.2 196.38,84.61 arc(196.26,84.79) 196.22,85.01 SW11.1
Net-(D12-A): length 3.9
  Bottom w0.25: SW12.1 215.26,85.01 arc(215.31,84.79) 215.43,84.61 D12.2
Net-(D13-A): length 3.9
  Bottom w0.25: SW13.1 234.31,85.01 arc(234.36,84.79) 234.48,84.61 D13.2
Net-(D14-A): length 3.9
  Bottom w0.25: D14.2 253.53,84.61 arc(253.41,84.79) 253.37,85.01 SW14.1
Net-(D15-A): length 28.3
  Bottom w0.25: D15.2 263.63,84.85 arc(263.93,85.3) 264.04,85.83 264.04,86.3 arc(263.89,87.05) 263.46,87.69 arc(263.23,88.26) 263.46,88.84 266.11,91.48 arc(266.99,92.07) 268.03,92.28 269.29,92.28 arc(269.88,92.16) 270.37,91.84 272.63,89.57 arc(273.22,88.69) 273.43,87.65 273.43,86.3 arc(273.64,85.25) 274.23,84.37 274.62,83.98 arc(275.5,83.39) 276.54,83.18 280.04,83.18
Net-(D17-A): length 3.9
  Bottom w0.25: D17.2 10.64,65.56 arc(10.52,65.74) 10.48,65.96 SW17.1
Net-(D18-A): length 3.9
  Bottom w0.25: D18.2 34.46,65.56 arc(34.33,65.74) 34.29,65.96 SW18.1
Net-(D19-A): length 3.9
  Bottom w0.25: SW19.1 53.34,65.96 arc(53.38,65.74) 53.51,65.56 D19.2
Net-(D20-A): length 3.9
  Bottom w0.25: SW20.1 72.39,65.96 arc(72.43,65.74) 72.56,65.56 D20.2
Net-(D21-A): length 3.9
  Bottom w0.25: D21.2 91.61,65.56 arc(91.48,65.74) 91.44,65.96 SW21.1
Net-(D22-A): length 3.9
  Bottom w0.25: SW22.1 110.49,65.96 arc(110.53,65.74) 110.66,65.56 D22.2
Net-(D23-A): length 3.9
  Bottom w0.25: D23.2 129.71,65.56 arc(129.58,65.74) 129.54,65.96 SW23.1
Net-(D24-A): length 3.9
  Bottom w0.25: SW24.1 148.59,65.96 arc(148.63,65.74) 148.76,65.56 D24.2
Net-(D25-A): length 3.9
  Bottom w0.25: SW25.1 167.64,65.96 arc(167.68,65.74) 167.81,65.56 D25.2
Net-(D26-A): length 3.9
  Bottom w0.25: SW26.1 186.69,65.96 arc(186.73,65.74) 186.86,65.56 D26.2
Net-(D27-A): length 3.5
  Bottom w0.25: D27.2 206.07,68.88
Net-(D28-A): length 3.5
  Bottom w0.25: D28.2 225.12,68.88
Net-(D29-A): length 3.5
  Bottom w0.25: D29.2 244.17,68.88
Net-(D30-A): length 3.9
  Bottom w0.25: SW31.1 270.03,56.43 arc(270.08,56.22) 270.2,56.03 D31.2
Net-(D32-A): length 12.3
  Bottom w0.25: D32.2 302.83,84.44 arc(303.49,84.57) 304.04,84.94 311.28,92.19
Net-(D33-A): length 8.7
  Bottom w0.25: D33.2 8.26,46.51 arc(8.14,46.69) 8.1,46.91 SW33.1 SW34.1
Net-(D35-A): length 3.9
  Bottom w0.25: D35.2 39.22,46.51 arc(39.1,46.69) 39.05,46.91 SW35.1
Net-(D36-A): length 3.9
  Bottom w0.25: SW36.1 58.1,46.91 arc(58.15,46.69) 58.27,46.51 D36.2
Net-(D37-A): length 3.9
  Bottom w0.25: SW37.1 77.15,46.91 arc(77.2,46.69) 77.32,46.51 D37.2
Net-(D38-A): length 3.9
  Bottom w0.25: SW38.1 96.2,46.91 arc(96.25,46.69) 96.37,46.51 D38.2
Net-(D39-A): length 3.9
  Bottom w0.25: D39.2 115.42,46.51 arc(115.3,46.69) 115.25,46.91 SW39.1
Net-(D40-A): length 3.9
  Bottom w0.25: SW40.1 134.3,46.91 arc(134.35,46.69) 134.47,46.51 D40.2
Net-(D41-A): length 3.9
  Bottom w0.25: SW41.1 153.35,46.91 arc(153.4,46.69) 153.52,46.51 D41.2
Net-(D42-A): length 3.9
  Bottom w0.25: SW42.1 172.4,46.91 arc(172.45,46.69) 172.57,46.51 D42.2
Net-(D43-A): length 3.9
  Bottom w0.25: SW43.1 191.45,46.91 arc(191.5,46.69) 191.62,46.51 D43.2
Net-(D44-A): length 3.9
  Bottom w0.25: SW44.1 210.5,46.91 arc(210.55,46.69) 210.67,46.51 D44.2
Net-(D45-A): length 3.9
  Bottom w0.25: SW45.1 229.55,46.91 arc(229.6,46.69) 229.72,46.51 D45.2
Net-(D46-A): length 15.8
  Bottom w0.25: D46.2 248.77,46.51 arc(248.65,46.69) 248.6,46.91 SW46.1 SW47.1
Net-(D48-A): length 10.6
  Bottom w0.25: D48.2 304.31,46.71 arc(304.38,47.05) 304.57,47.34 SW48.S2
Net-(D49-A): length 3.9
  Bottom w0.25: 17.62,31.11 17.62,27.86 arc(17.66,27.64) 17.79,27.46 D49.2
Net-(D50-A): length 3.9
  Bottom w0.25: 48.58,31.11 48.58,27.86 arc(48.62,27.64) 48.74,27.46 D50.2
Net-(D51-A): length 3.9
  Bottom w0.25: D51.2 67.79,27.46 arc(67.67,27.64) 67.63,27.86 67.63,31.11
Net-(D52-A): length 3.9
  Bottom w0.25: 86.68,31.11 86.68,27.86 arc(86.72,27.64) 86.84,27.46 D52.2
Net-(D53-A): length 3.9
  Bottom w0.25: D53.2 105.89,27.46 arc(105.77,27.64) 105.73,27.86 105.73,31.11
Net-(D54-A): length 3.9
  Bottom w0.25: D54.2 124.94,27.46 arc(124.82,27.64) 124.78,27.86 124.78,31.11
Net-(D55-A): length 3.9
  Bottom w0.25: 143.83,31.11 143.83,27.86 arc(143.87,27.64) 143.99,27.46 D55.2
Net-(D56-A): length 3.9
  Bottom w0.25: 162.88,31.11 162.88,27.86 arc(162.92,27.64) 163.04,27.46 D56.2
Net-(D57-A): length 3.9
  Bottom w0.25: 181.93,31.11 181.93,27.86 arc(181.97,27.64) 182.09,27.46 D57.2
Net-(D58-A): length 3.9
  Bottom w0.25: D58.2 201.14,27.46 arc(201.02,27.64) 200.98,27.86 200.98,31.11
Net-(D59-A): length 3.9
  Bottom w0.25: D59.2 220.19,27.46 arc(220.07,27.64) 220.03,27.86 220.03,31.11
Net-(D60-A): length 3.9
  Bottom w0.25: 246.22,31.11 246.22,27.86 arc(246.26,27.64) 246.39,27.46 D60.2
Net-(D61-A): length 3.9
  Bottom w0.25: 272.42,31.11 272.42,27.86 arc(272.46,27.64) 272.58,27.46 D61.2
Net-(D62-A): length 18.1
  Bottom w0.25: SW62.1 7.1,12.06 arc(6.52,11.95) 6.02,11.62 arc(5.69,11.12) 5.58,10.54 5.58,9.31 arc(5.63,9.03) 5.79,8.8 5.96,8.62 arc(6.39,8.34) 6.89,8.24 8.43,8.24 9.06,7.61 arc(9.75,7.15) 10.57,6.98 SW63.1
Net-(D64-A): length 18.1
  Bottom w0.25: SW64.1 30.91,12.06 arc(30.33,11.95) 29.84,11.62 arc(29.5,11.12) 29.39,10.54 29.39,9.45 arc(29.47,9.04) 29.71,8.69 29.77,8.62 arc(30.2,8.34) 30.7,8.24 32.24,8.24 32.87,7.61 arc(33.56,7.15) 34.38,6.98 SW65.1
Net-(D66-A): length 18.1
  Bottom w0.25: SW67.1 58.2,6.98 arc(57.38,7.15) 56.68,7.61 56.05,8.24 54.44,8.24 arc(54,8.33) 53.63,8.57 53.45,8.76 arc(53.27,9.03) 53.2,9.36 53.2,10.54 arc(53.32,11.12) 53.65,11.62 arc(54.14,11.95) 54.73,12.06 SW66.1
Net-(D68-A): length 23.6
  Bottom w0.25: SW69.1 129.63,6.98 arc(128.81,7.15) 128.12,7.61 127.33,8.41 arc(127.2,8.59) 127.16,8.81 SW68.1
Net-(D70-A): length 3.9
  Bottom w0.25: SW70.1 198.6,8.81 arc(198.64,8.59) 198.76,8.41 D70.2
Net-(D71-A): length 25.3
  Bottom w0.25: D72.2 216.39,8.58 arc(216.45,8.9) 216.63,9.17 218.73,11.27 arc(219.62,11.86) 220.66,12.06 SW72.1 229.4,12.06 arc(230.44,11.86) 231.32,11.27 232.18,10.41 arc(232.45,10) 232.55,9.52 arc(232.45,9.05) 232.18,8.64 231.32,7.78 arc(230.44,7.19) 229.4,6.98 SW71.1
Net-(D73-A): length 3.9
  Bottom w0.25: D73.2 253.53,8.41 arc(253.41,8.59) 253.37,8.81 SW73.1
Net-(D74-A): length 3.9
  Bottom w0.25: SW74.1 272.42,8.81 arc(272.46,8.59) 272.58,8.41 D74.2
Net-(D75-A): length 3.9
  Bottom w0.25: D75.2 291.63,8.41 arc(291.51,8.59) 291.46,8.81 SW75.1
Net-(U1-DFU): length 112
  Top w0.25: 158.87,12.67 SW76.1 204.98,6.37 arc(206.02,6.58) 206.9,7.17 211.1,11.37 arc(211.11,11.39) 211.12,11.41 211.12,42.85 arc(210.91,43.89) 210.32,44.77 202.07,53.02 arc(201.48,53.91) 201.27,54.95 U1.19

## Copper pours and planes (outline as drawn; the poured copper is in the pictures)
GND on Top: -29.46,138.43 -29.46,-120.65 393.45,-120.65 393.45,139.7
GND on Bottom: 391.79,-122.08 -32.39,-122.08 -31.12,140.97 393.06,140.97

Small or netless copper shapes (teardrops, artwork), in the pictures only: 107 on Top, 244 on Bottom
